# Allegro board 6089-119-RevA_41.brd (continued)
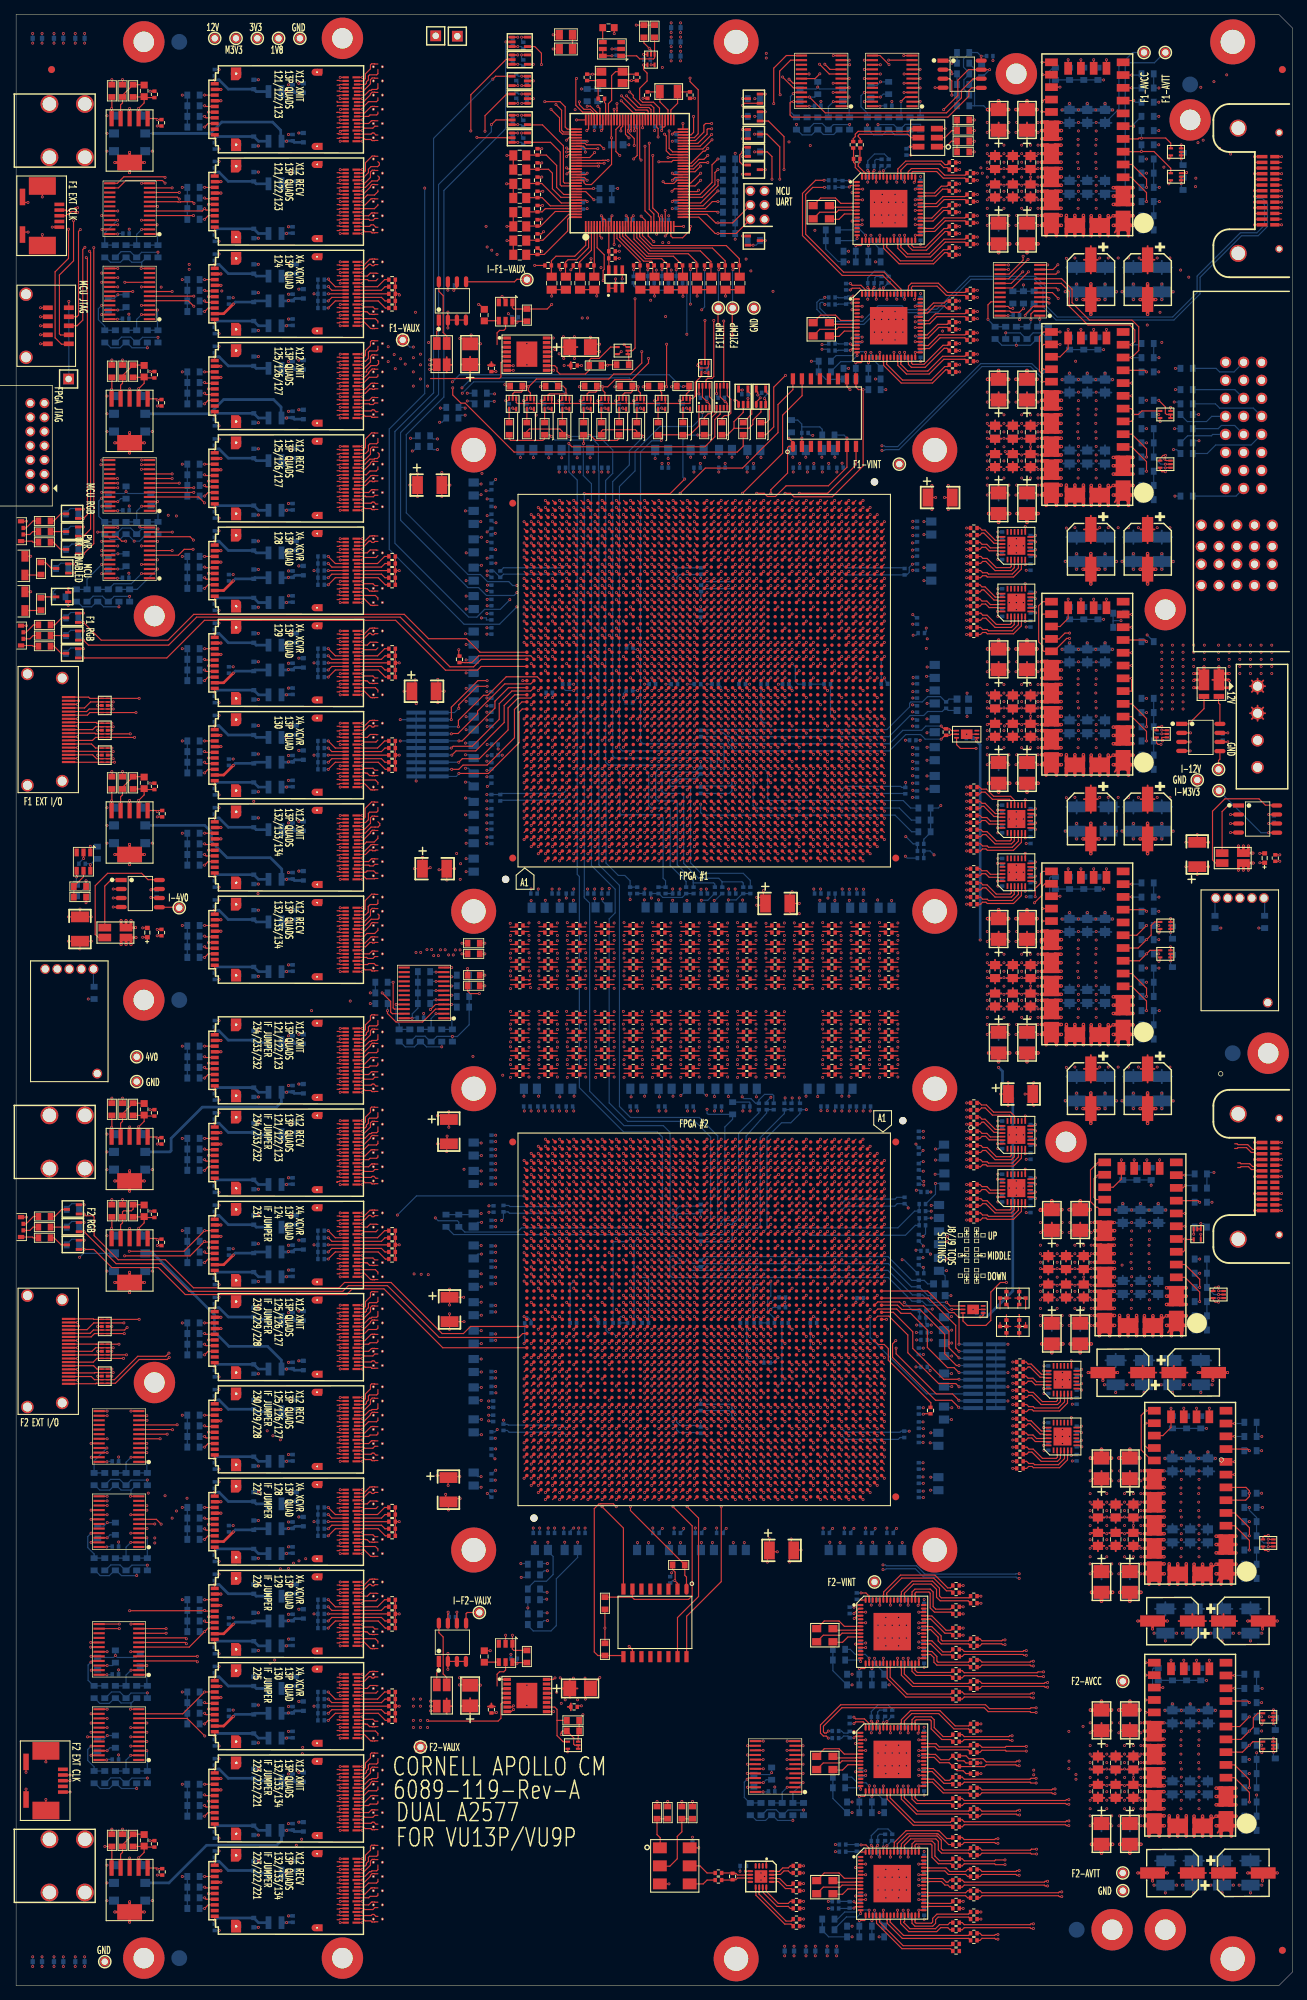
[diagram p0: board, top side]
## Routing (per net, layer and track width the routed paths; a pad name or vN(x,y) marks a point on that pad's centre or on a via; arc(x,y) is an arc through that point) (continued)
; VA8.3 50.04,255.72 ; VA8.3 49.95,255.21 ; VA8.3 50.37,255.78 ; VA8.3 49.98,255.4 ; VA8.3 50.18,254.99 ; VA26.4 51.96,212.72 ; VA26.4 51.82,212.81 ; VA26.4 52.05,212.21 ; VA26.4 51.63,212.02 ; VA26.4 51.63,212.78 ; VA26.4 52.05,212.59 ; VA26.4 51.96,212.08 ; VA26.4 52.02,212.4 ; VA18.4 52.05,229.21 ; VA18.4 51.96,229.72 ; VA18.4 51.96,229.08 ; VA18.4 51.82,229.81 ; VA18.4 52.02,229.4 ; VA18.4 51.63,229.78 ; VA18.4 51.63,229.02 ; VA18.4 52.05,229.59 ; VA7.4 52.05,257.59 ; VA7.4 51.63,257.78 ; VA7.4 51.96,257.08 ; VA7.4 51.63,257.02 ; VA7.4 51.96,257.72 ; VA7.4 51.82,257.81 ; VA7.4 52.02,257.4 ; VA7.4 52.05,257.21 ; VA102.4 52.05,13.59 ; VA102.4 51.96,13.72 ; VA102.4 51.63,13.78 ; VA102.4 52.02,13.4 ; VA102.4 51.63,13.02 ; VA102.4 51.96,13.08 ; VA102.4 52.05,13.21 ; VA102.4 51.82,13.81 ; VA79.4 52.05,76.21 ; VA79.4 51.63,76.02 ; VA79.4 52.05,76.59 ; VA79.4 51.96,76.72 ; VA79.4 52.02,76.4 ; VA79.4 51.63,76.78 ; VA79.4 51.82,76.81 ; VA79.4 51.96,76.08 ; VA20.4 52.05,225.59 ; VA20.4 52.05,225.21 ; VA20.4 52.02,225.4 ; VA20.4 51.96,225.72 ; VA20.4 51.96,225.08 ; VA20.4 51.63,225.02 ; VA20.4 51.63,225.78 ; VA20.4 51.82,225.81 ; VA43.4 51.96,162.08 ; VA43.4 51.63,162.78 ; VA43.4 52.05,162.59 ; VA43.4 51.63,162.02 ; VA43.4 51.82,162.81 ; VA43.4 51.96,162.72 ; VA43.4 52.02,162.4 ; VA43.4 52.05,162.21 ; 49.98,158.4 VA45.3 ; VA45.3 50.04,158.72 ; VA45.3 49.95,158.59 ; VA45.3 49.95,158.21 ; VA45.3 50.04,158.08 ; VA45.3 50.37,158.78 ; VA45.3 50.18,157.99 ; VA45.3 50.37,158.02 ; 51.63,227.02 VA19.4 ; VA19.4 51.96,227.08 ; VA19.4 52.05,227.21 ; VA19.4 51.63,227.78 ; VA19.4 51.96,227.72 ; VA19.4 52.02,227.4 ; VA19.4 52.05,227.59 ; VA19.4 51.82,227.81 ; VA15.3 51.96,235.58 ; VA15.3 52.02,235.9 ; VA15.3 52.05,236.09 ; VA15.3 51.63,236.28 ; VA15.3 51.82,236.31 ; VA15.3 51.63,235.52 ; VA15.3 51.96,236.22 ; VA15.3 52.05,235.71 ; VA92.3 52.05,34.71 ; VA92.3 51.82,35.31 ; VA92.3 51.63,34.52 ; VA92.3 51.63,35.28 ; VA92.3 52.02,34.9 ; VA92.3 52.05,35.09 ; VA92.3 51.96,34.58 ; VA92.3 51.96,35.22 ; VA96.3 50.37,26.78 ; VA96.3 50.04,26.08 ; VA96.3 49.95,26.59 ; VA96.3 49.95,26.21 ; VA96.3 50.37,26.02 ; VA96.3 50.18,25.99 ; VA96.3 50.04,26.72 ; VA96.3 49.98,26.4 ; 50.18,259.99 VA6.3 ; VA6.3 50.04,260.72 ; VA6.3 50.37,260.02 ; VA6.3 50.04,260.08 ; VA6.3 50.37,260.78 ; VA6.3 49.95,260.59 ; VA6.3 49.98,260.4 ; VA6.3 49.95,260.21 ; 51.63,93.02 VA71.4 ; VA71.4 51.63,93.78 ; VA71.4 51.96,93.08 ; VA71.4 52.02,93.4 ; VA71.4 52.05,93.59 ; VA71.4 51.96,93.72 ; VA71.4 52.05,93.21 ; VA71.4 51.82,93.81 ; VA65.4 51.82,109.31 ; VA65.4 51.63,108.52 ; VA65.4 51.96,109.22 ; VA65.4 52.02,108.9 ; VA65.4 52.05,109.09 ; VA65.4 51.63,109.28 ; VA65.4 52.05,108.71 ; VA65.4 51.96,108.58 ; 50.04,214.08 VA25.3 ; VA25.3 50.04,214.72 ; VA25.3 49.98,214.4 ; VA25.3 50.18,213.99 ; VA25.3 49.95,214.59 ; VA25.3 50.37,214.02 ; VA25.3 50.37,214.78 ; VA25.3 49.95,214.21 ; VA100.3 50.37,17.78 ; VA100.3 49.95,17.59 ; VA100.3 49.95,17.21 ; VA100.3 50.18,16.99 ; VA100.3 50.37,17.02 ; VA100.3 50.04,17.08 ; VA100.3 49.98,17.4 ; VA100.3 50.04,17.72 ; 50.04,164.72 VA42.3 ; VA42.3 50.37,164.02 ; VA42.3 49.95,164.21 ; VA42.3 50.37,164.78 ; VA42.3 50.18,163.99 ; VA42.3 50.04,164.08 ; VA42.3 49.98,164.4 ; VA42.3 49.95,164.59 ; VA14.4 51.82,241.31 ; VA14.4 51.96,240.58 ; VA14.4 51.63,241.28 ; VA14.4 52.05,241.09 ; VA14.4 52.02,240.9 ; VA14.4 52.05,240.71 ; VA14.4 51.63,240.52 ; VA14.4 51.96,241.22 ; 50.37,84.02 VA75.3 ; VA75.3 50.04,84.08 ; VA75.3 49.95,84.59 ; VA75.3 50.18,83.99 ; VA75.3 49.98,84.4 ; VA75.3 49.95,84.21 ; VA75.3 50.04,84.72 ; VA75.3 50.37,84.78 ; VA61.4 52.02,119.4 ; VA61.4 51.63,119.02 ; VA61.4 51.96,119.72 ; VA61.4 52.05,119.21 ; VA61.4 52.05,119.59 ; VA61.4 51.63,119.78 ; VA61.4 51.82,119.81 ; VA61.4 51.96,119.08 ; VA17.4 51.82,231.81 ; VA17.4 52.05,231.59 ; VA17.4 52.02,231.4 ; VA17.4 52.05,231.21 ; VA17.4 51.63,231.02 ; VA17.4 51.96,231.72 ; VA17.4 51.96,231.08 ; VA17.4 51.63,231.78 ; 49.98,62.9 VA83.4 ; VA83.4 50.04,63.22 ; VA83.4 50.37,63.28 ; VA83.4 49.95,63.09 ; VA83.4 50.37,62.52 ; VA83.4 50.18,62.49 ; VA83.4 50.04,62.58 ; VA83.4 49.95,62.71 ; VA73.4 52.05,89.59 ; VA73.4 51.96,89.08 ; VA73.4 51.96,89.72 ; VA73.4 51.82,89.81 ; VA73.4 52.05,89.21 ; VA73.4 51.63,89.78 ; VA73.4 51.63,89.02 ; VA73.4 52.02,89.4 ; 50.37,115.02 VA63.3 ; VA63.3 50.18,114.99 ; VA63.3 50.04,115.72 ; VA63.3 49.95,115.21 ; VA63.3 49.95,115.59 ; VA63.3 50.37,115.78 ; VA63.3 50.04,115.08 ; VA63.3 49.98,115.4 ; VA13.4 52.02,242.9 ; VA13.4 51.63,242.52 ; VA13.4 51.63,243.28 ; VA13.4 51.96,243.22 ; VA13.4 51.96,242.58 ; VA13.4 52.05,242.71 ; VA13.4 52.05,243.09 ; VA13.4 51.82,243.31 ; VA47.4 51.96,153.72 ; VA47.4 52.05,153.59 ; VA47.4 52.02,153.4 ; VA47.4 51.63,153.78 ; VA47.4 51.82,153.81 ; VA47.4 52.05,153.21 ; VA47.4 51.63,153.02 ; VA47.4 51.96,153.08 ; 50.04,160.08 VA44.3 ; VA44.3 50.18,159.99 ; VA44.3 49.95,160.21 ; VA44.3 50.37,160.78 ; VA44.3 50.04,160.72 ; VA44.3 49.95,160.59 ; VA44.3 49.98,160.4 ; VA44.3 50.37,160.02 ; 50.37,233.52 VA16.4 ; VA16.4 49.98,233.9 ; VA16.4 49.95,234.09 ; VA16.4 50.37,234.28 ; VA16.4 50.04,233.58 ; VA16.4 49.95,233.71 ; VA16.4 50.04,234.22 ; VA16.4 50.18,233.49 ; VA5.4 51.63,262.78 ; VA5.4 52.05,262.21 ; VA5.4 52.05,262.59 ; VA5.4 51.82,262.81 ; VA5.4 51.96,262.72 ; VA5.4 51.63,262.02 ; VA5.4 52.02,262.4 ; VA5.4 51.96,262.08 ; 50.18,77.99 VA78.3 ; VA78.3 49.98,78.4 ; VA78.3 49.95,78.59 ; VA78.3 50.04,78.72 ; VA78.3 50.04,78.08 ; VA78.3 50.37,78.02 ; VA78.3 50.37,78.78 ; VA78.3 49.95,78.21 ; 49.95,251.21 VA10.3 ; VA10.3 50.04,251.72 ; VA10.3 50.37,251.02 ; VA10.3 49.98,251.4 ; VA10.3 50.18,250.99 ; VA10.3 50.04,251.08 ; VA10.3 50.37,251.78 ; VA10.3 49.95,251.59 ; 50.18,265.99 VA3.3 ; VA3.3 50.37,266.02 ; VA3.3 50.37,266.78 ; VA3.3 50.04,266.08 ; VA3.3 49.98,266.4 ; VA3.3 50.04,266.72 ; VA3.3 49.95,266.21 ; VA3.3 49.95,266.59 ; VA2.3 50.37,268.78 ; VA2.3 50.37,268.02 ; VA2.3 49.95,268.59 ; VA2.3 50.04,268.08 ; VA2.3 50.04,268.72 ; VA2.3 50.18,267.99 ; VA2.3 49.98,268.4 ; VA2.3 49.95,268.21 ; VA72.4 52.05,91.21 ; VA72.4 52.05,91.59 ; VA72.4 52.02,91.4 ; VA72.4 51.96,91.08 ; VA72.4 51.63,91.78 ; VA72.4 51.63,91.02 ; VA72.4 51.82,91.81 ; VA72.4 51.96,91.72 ; 165.83,169.23 PM24.1 ; PM24.1 166.5,169.02 ; PM24.1 165.62,169.9 ; PM24.1 166.5,170.78 ; PM24.1 167.17,169.23 ; PM24.1 167.38,169.9 ; PM24.1 167.17,170.57 ; PM24.1 165.83,170.57 ; VA68.3 51.96,99.58 ; VA68.3 51.63,99.52 ; VA68.3 51.82,100.31 ; VA68.3 52.05,99.71 ; VA68.3 51.96,100.22 ; VA68.3 52.05,100.09 ; VA68.3 51.63,100.28 ; VA68.3 52.02,99.9 ; VA14.3 50.37,241.28 ; VA14.3 50.18,240.49 ; VA14.3 50.04,240.58 ; VA14.3 49.98,240.9 ; VA14.3 50.04,241.22 ; VA14.3 49.95,240.71 ; VA14.3 50.37,240.52 ; VA14.3 49.95,241.09 ; VA27.4 51.63,210.78 ; VA27.4 51.63,210.02 ; VA27.4 52.05,210.21 ; VA27.4 51.82,210.81 ; VA27.4 51.96,210.08 ; VA27.4 51.96,210.72 ; VA27.4 52.05,210.59 ; VA27.4 52.02,210.4 ; VA98.4 51.96,22.08 ; VA98.4 51.63,22.78 ; VA98.4 51.63,22.02 ; VA98.4 52.05,22.59 ; VA98.4 52.05,22.21 ; VA98.4 51.96,22.72 ; VA98.4 52.02,22.4 ; VA98.4 51.82,22.81 ; VA99.4 52.05,19.59 ; VA99.4 52.02,19.4 ; VA99.4 51.96,19.08 ; VA99.4 51.96,19.72 ; VA99.4 51.63,19.78 ; VA99.4 52.05,19.21 ; VA99.4 51.63,19.02 ; VA99.4 51.82,19.81 ; 50.04,56.58 VA85.3 ; VA85.3 49.95,57.09 ; VA85.3 49.98,56.9 ; VA85.3 49.95,56.71 ; VA85.3 50.18,56.49 ; VA85.3 50.04,57.22 ; VA85.3 50.37,56.52 ; VA85.3 50.37,57.28 ; VA39.3 52.05,170.71 ; VA39.3 51.63,170.52 ; VA39.3 51.63,171.28 ; VA39.3 51.96,170.58 ; VA39.3 51.96,171.22 ; VA39.3 51.82,171.31 ; VA39.3 52.02,170.9 ; VA39.3 52.05,171.09 ; VA93.4 52.02,32.4 ; VA93.4 51.63,32.02 ; VA93.4 51.82,32.81 ; VA93.4 51.96,32.08 ; VA93.4 52.05,32.59 ; VA93.4 52.05,32.21 ; VA93.4 51.96,32.72 ; VA93.4 51.63,32.78 ; 50.37,147.02 VA50.3 ; VA50.3 49.98,147.4 ; VA50.3 49.95,147.59 ; VA50.3 50.37,147.78 ; VA50.3 50.04,147.72 ; VA50.3 50.04,147.08 ; VA50.3 49.95,147.21 ; VA50.3 50.18,146.99 ; PM3.1 17.67,126.73 ; PM3.1 17.67,128.07 ; PM3.1 17,128.28 ; PM3.1 16.33,128.07 ; PM3.1 16.33,126.73 ; PM3.1 17,126.52 ; PM3.1 16.12,127.4 ; PM3.1 17.88,127.4 ; VA82.4 52.05,67.71 ; VA82.4 51.82,68.31 ; VA82.4 51.63,67.52 ; VA82.4 52.02,67.9 ; VA82.4 52.05,68.09 ; VA82.4 51.96,67.58 ; VA82.4 51.63,68.28 ; VA82.4 51.96,68.22 ; 49.95,181.71 VA36.4 ; VA36.4 50.18,181.49 ; VA36.4 49.98,181.9 ; VA36.4 50.37,181.52 ; VA36.4 50.04,181.58 ; VA36.4 50.37,182.28 ; VA36.4 49.95,182.09 ; VA36.4 50.04,182.22 ; VA36.3 51.82,182.31 ; VA36.3 51.96,181.58 ; VA36.3 52.02,181.9 ; VA36.3 52.05,181.71 ; VA36.3 52.05,182.09 ; VA36.3 51.63,182.28 ; VA36.3 51.63,181.52 ; VA36.3 51.96,182.22 ; J6.22 7.31,95.86 ; J6.22 6.5,97.73 ; J6.22 5.69,95.86 ; J6.22 7.31,97.47 ; J6.22 7.57,96.66 ; J6.22 5.43,96.66 ; J6.22 5.69,97.47 ; J6.22 6.5,95.6 ; VA35.3 52.05,183.71 ; VA35.3 51.82,184.31 ; VA35.3 52.02,183.9 ; VA35.3 51.63,184.28 ; VA35.3 52.05,184.09 ; VA35.3 51.96,184.22 ; VA35.3 51.96,183.58 ; VA35.3 51.63,183.52 ; 49.98,132.4 VA55.3 ; VA55.3 50.04,132.08 ; VA55.3 50.37,132.78 ; VA55.3 49.95,132.21 ; VA55.3 50.04,132.72 ; VA55.3 49.95,132.59 ; VA55.3 50.37,132.02 ; VA55.3 50.18,131.99 ; 49.98,106.9 VA66.3 ; VA66.3 49.95,106.71 ; VA66.3 50.04,106.58 ; VA66.3 49.95,107.09 ; VA66.3 50.37,106.52 ; VA66.3 50.37,107.28 ; VA66.3 50.04,107.22 ; VA66.3 50.18,106.49 ; 50.04,189.22 VA34.3 ; VA34.3 49.98,188.9 ; VA34.3 50.37,189.28 ; VA34.3 50.37,188.52 ; VA34.3 49.95,189.09 ; VA34.3 50.04,188.58 ; VA34.3 49.95,188.71 ; VA34.3 50.18,188.49 ; 49.95,257.59 VA7.3 ; VA7.3 49.95,257.21 ; VA7.3 50.04,257.72 ; VA7.3 50.37,257.78 ; VA7.3 50.04,257.08 ; VA7.3 49.98,257.4 ; VA7.3 50.37,257.02 ; VA7.3 50.18,256.99 ; 50.37,223.02 VA21.3 ; VA21.3 50.37,223.78 ; VA21.3 50.04,223.72 ; VA21.3 50.04,223.08 ; VA21.3 50.18,222.99 ; VA21.3 49.95,223.59 ; VA21.3 49.98,223.4 ; VA21.3 49.95,223.21 ; 50.04,68.22 VA82.3 ; VA82.3 50.04,67.58 ; VA82.3 49.95,68.09 ; VA82.3 50.37,67.52 ; VA82.3 49.95,67.71 ; VA82.3 50.37,68.28 ; VA82.3 50.18,67.49 ; VA82.3 49.98,67.9 ; J5.23 2.4,184.04 ; J5.23 2.66,184.85 ; J5.23 1.6,183.78 ; J5.23 1.15,183.8 ; J5.23 2.4,185.65 ; J5.23 1.6,185.92 ; J5.23 2.05,185.89 ; J5.23 2.64,185.3 ; VA55.4 52.05,132.21 ; VA55.4 52.05,132.59 ; VA55.4 51.63,132.02 ; VA55.4 52.02,132.4 ; VA55.4 51.63,132.78 ; VA55.4 51.82,132.81 ; VA55.4 51.96,132.72 ; VA55.4 51.96,132.08 ; VA46.4 51.96,156.72 ; VA46.4 52.02,156.4 ; VA46.4 51.63,156.78 ; VA46.4 52.05,156.21 ; VA46.4 51.96,156.08 ; VA46.4 51.82,156.81 ; VA46.4 52.05,156.59 ; VA46.4 51.63,156.02 ; 50.18,133.99 VA54.3 ; VA54.3 49.95,134.59 ; VA54.3 50.04,134.08 ; VA54.3 50.37,134.78 ; VA54.3 49.98,134.4 ; VA54.3 50.37,134.02 ; VA54.3 50.04,134.72 ; VA54.3 49.95,134.21 ; VA101.4 51.63,15.78 ; VA101.4 51.82,15.81 ; VA101.4 51.96,15.72 ; VA101.4 51.63,15.02 ; VA101.4 52.05,15.59 ; VA101.4 52.05,15.21 ; VA101.4 51.96,15.08 ; VA101.4 52.02,15.4 ; 50.18,175.49 VA38.3 ; VA38.3 50.04,176.22 ; VA38.3 49.95,176.09 ; VA38.3 50.37,176.28 ; VA38.3 50.04,175.58 ; VA38.3 49.98,175.9 ; VA38.3 49.95,175.71 ; VA38.3 50.37,175.52 ; 50.18,203.49 VA29.3 ; VA29.3 50.04,203.58 ; VA29.3 50.37,204.28 ; VA29.3 49.98,203.9 ; VA29.3 50.37,203.52 ; VA29.3 50.04,204.22 ; VA29.3 49.95,203.71 ; VA29.3 49.95,204.09 ; 50.37,227.02 VA19.3 ; VA19.3 49.95,227.21 ; VA19.3 49.95,227.59 ; VA19.3 50.04,227.08 ; VA19.3 50.37,227.78 ; VA19.3 50.18,226.99 ; VA19.3 50.04,227.72 ; VA19.3 49.98,227.4 ; VA104.4 52.02,9.4 ; VA104.4 51.63,9.78 ; VA104.4 51.82,9.81 ; VA104.4 51.96,9.72 ; VA104.4 51.63,9.02 ; VA104.4 52.05,9.21 ; VA104.4 51.96,9.08 ; VA104.4 52.05,9.59 ; VA38.4 51.96,175.58 ; VA38.4 52.02,175.9 ; VA38.4 51.63,176.28 ; VA38.4 51.96,176.22 ; VA38.4 52.05,175.71 ; VA38.4 52.05,176.09 ; VA38.4 51.63,175.52 ; VA38.4 51.82,176.31 ; 49.98,242.9 VA13.3 ; VA13.3 49.95,243.09 ; VA13.3 50.18,242.49 ; VA13.3 50.37,243.28 ; VA13.3 50.04,242.58 ; VA13.3 50.37,242.52 ; VA13.3 49.95,242.71 ; VA13.3 50.04,243.22 ; VA91.4 50.37,37.28 ; VA91.4 50.37,36.52 ; VA91.4 49.95,36.71 ; VA91.4 49.95,37.09 ; VA91.4 50.04,36.58 ; VA91.4 49.98,36.9 ; VA91.4 50.18,36.49 ; VA91.4 50.04,37.22 ; 50.18,86.99 VA74.3 ; VA74.3 50.37,87.78 ; VA74.3 50.37,87.02 ; VA74.3 49.95,87.21 ; VA74.3 50.04,87.08 ; VA74.3 50.04,87.72 ; VA74.3 49.95,87.59 ; VA74.3 49.98,87.4 ; 49.95,247.21 VA12.3 ; VA12.3 50.04,247.08 ; VA12.3 49.98,247.4 ; VA12.3 50.04,247.72 ; VA12.3 50.37,247.78 ; VA12.3 50.37,247.02 ; VA12.3 50.18,246.99 ; VA12.3 49.95,247.59 ; 50.37,177.52 VA37.3 ; VA37.3 50.37,178.28 ; VA37.3 50.18,177.49 ; VA37.3 49.95,177.71 ; VA37.3 50.04,178.22 ; VA37.3 50.04,177.58 ; VA37.3 49.98,177.9 ; VA37.3 49.95,178.09 ; 50.04,69.58 VA81.3 ; VA81.3 49.95,69.71 ; VA81.3 50.04,70.22 ; VA81.3 50.37,69.52 ; VA81.3 50.37,70.28 ; VA81.3 50.18,69.49 ; VA81.3 49.95,70.09 ; VA81.3 49.98,69.9 ; VA67.3 52.02,101.9 ; VA67.3 51.63,102.28 ; VA67.3 52.05,101.71 ; VA67.3 51.96,102.22 ; VA67.3 51.82,102.31 ; VA67.3 52.05,102.09 ; VA67.3 51.63,101.52 ; VA67.3 51.96,101.58 ; 50.37,82.02 VA76.3 ; VA76.3 50.18,81.99 ; VA76.3 49.95,82.21 ; VA76.3 50.04,82.08 ; VA76.3 49.98,82.4 ; VA76.3 49.95,82.59 ; VA76.3 50.04,82.72 ; VA76.3 50.37,82.78 ; VA80.4 51.96,74.08 ; VA80.4 52.05,74.21 ; VA80.4 52.05,74.59 ; VA80.4 51.96,74.72 ; VA80.4 51.82,74.81 ; VA80.4 51.63,74.02 ; VA80.4 52.02,74.4 ; VA80.4 51.63,74.78 ; 51.63,134.02 VA54.4 ; VA54.4 51.63,134.78 ; VA54.4 52.02,134.4 ; VA54.4 51.96,134.72 ; VA54.4 51.82,134.81 ; VA54.4 52.05,134.21 ; VA54.4 51.96,134.08 ; VA54.4 52.05,134.59 ; 50.04,55.22 VA86.3 ; VA86.3 49.95,55.09 ; VA86.3 50.04,54.58 ; VA86.3 50.37,54.52 ; VA86.3 49.95,54.71 ; VA86.3 49.98,54.9 ; VA86.3 50.18,54.49 ; VA86.3 50.37,55.28 ; VA34.4 51.63,189.28 ; VA34.4 52.02,188.9 ; VA34.4 51.96,189.22 ; VA34.4 52.05,188.71 ; VA34.4 51.82,189.31 ; VA34.4 51.96,188.58 ; VA34.4 52.05,189.09 ; VA34.4 51.63,188.52 ; VA78.4 51.96,78.72 ; VA78.4 52.02,78.4 ; VA78.4 51.96,78.08 ; VA78.4 51.63,78.78 ; VA78.4 51.82,78.81 ; VA78.4 52.05,78.59 ; VA78.4 51.63,78.02 ; VA78.4 52.05,78.21 ; 51.63,121.02 VA60.4 ; VA60.4 51.82,121.81 ; VA60.4 52.02,121.4 ; VA60.4 51.96,121.72 ; VA60.4 52.05,121.59 ; VA60.4 51.63,121.78 ; VA60.4 52.05,121.21 ; VA60.4 51.96,121.08 ; VA45.4 51.82,158.81 ; VA45.4 51.63,158.78 ; VA45.4 51.96,158.72 ; VA45.4 52.05,158.21 ; VA45.4 52.02,158.4 ; VA45.4 51.63,158.02 ; VA45.4 51.96,158.08 ; VA45.4 52.05,158.59 ; 50.37,22.02 VA98.3 ; VA98.3 50.37,22.78 ; VA98.3 49.95,22.21 ; VA98.3 49.95,22.59 ; VA98.3 50.04,22.08 ; VA98.3 49.98,22.4 ; VA98.3 50.18,21.99 ; VA98.3 50.04,22.72 ; VA1.4 52.05,270.59 ; VA1.4 51.63,270.78 ; VA1.4 51.96,270.08 ; VA1.4 52.05,270.21 ; VA1.4 51.63,270.02 ; VA1.4 51.96,270.72 ; VA1.4 51.82,270.81 ; VA1.4 52.02,270.4 ; 49.95,119.21 VA61.3 ; VA61.3 50.18,118.99 ; VA61.3 50.04,119.08 ; VA61.3 50.37,119.02 ; VA61.3 50.04,119.72 ; VA61.3 49.95,119.59 ; VA61.3 49.98,119.4 ; VA61.3 50.37,119.78 ; 49.98,47.9 VA88.4 ; VA88.4 50.37,47.52 ; VA88.4 50.37,48.28 ; VA88.4 49.95,48.09 ; VA88.4 50.04,48.22 ; VA88.4 50.04,47.58 ; VA88.4 50.18,47.49 ; VA88.4 49.95,47.71 ; VA21.4 52.05,223.21 ; VA21.4 52.02,223.4 ; VA21.4 51.63,223.78 ; VA21.4 51.63,223.02 ; VA21.4 52.05,223.59 ; VA21.4 51.82,223.81 ; VA21.4 51.96,223.08 ; VA21.4 51.96,223.72 ; VA37.4 51.96,178.22 ; VA37.4 51.63,177.52 ; VA37.4 51.96,177.58 ; VA37.4 51.63,178.28 ; VA37.4 52.05,178.09 ; VA37.4 52.05,177.71 ; VA37.4 52.02,177.9 ; VA37.4 51.82,178.31 ; 49.98,212.4 VA26.3 ; VA26.3 49.95,212.21 ; VA26.3 50.37,212.02 ; VA26.3 50.04,212.72 ; VA26.3 50.04,212.08 ; VA26.3 50.37,212.78 ; VA26.3 50.18,211.99 ; VA26.3 49.95,212.59 ; 49.95,270.21 VA1.3 ; VA1.3 50.37,270.78 ; VA1.3 50.04,270.72 ; VA1.3 50.37,270.02 ; VA1.3 49.95,270.59 ; VA1.3 50.18,269.99 ; VA1.3 50.04,270.08 ; VA1.3 49.98,270.4 ; VA84.3 51.63,61.28 ; VA84.3 51.63,60.52 ; VA84.3 51.96,61.22 ; VA84.3 51.96,60.58 ; VA84.3 51.82,61.31 ; VA84.3 52.02,60.9 ; VA84.3 52.05,61.09 ; VA84.3 52.05,60.71 ; 51.63,247.02 VA12.4 ; VA12.4 52.05,247.59 ; VA12.4 51.82,247.81 ; VA12.4 51.96,247.72 ; VA12.4 52.02,247.4 ; VA12.4 51.96,247.08 ; VA12.4 51.63,247.78 ; VA12.4 52.05,247.21 ; VA103.3 50.37,11.78 ; VA103.3 49.95,11.21 ; VA103.3 50.37,11.02 ; VA103.3 50.18,10.99 ; VA103.3 49.95,11.59 ; VA103.3 49.98,11.4 ; VA103.3 50.04,11.72 ; VA103.3 50.04,11.08 ; 50.18,8.99 VA104.3 ; VA104.3 49.98,9.4 ; VA104.3 49.95,9.21 ; VA104.3 50.37,9.02 ; VA104.3 49.95,9.59 ; VA104.3 50.04,9.72 ; VA104.3 50.37,9.78 ; VA104.3 50.04,9.08 ; VA6.4 52.05,260.21 ; VA6.4 51.63,260.02 ; VA6.4 51.96,260.72 ; VA6.4 52.05,260.59 ; VA6.4 52.02,260.4 ; VA6.4 51.63,260.78 ; VA6.4 51.96,260.08 ; VA6.4 51.82,260.81 ; VA52.4 51.82,143.81 ; VA52.4 52.05,143.59 ; VA52.4 52.05,143.21 ; VA52.4 51.96,143.08 ; VA52.4 52.02,143.4 ; VA52.4 51.96,143.72 ; VA52.4 51.63,143.78 ; VA52.4 51.63,143.02 ; 49.95,15.59 VA101.3 ; VA101.3 50.37,15.02 ; VA101.3 49.98,15.4 ; VA101.3 50.37,15.78 ; VA101.3 50.18,14.99 ; VA101.3 50.04,15.08 ; VA101.3 49.95,15.21 ; VA101.3 50.04,15.72 ; 49.98,24.4 VA97.3 ; VA97.3 50.18,23.99 ; VA97.3 49.95,24.59 ; VA97.3 49.95,24.21 ; VA97.3 50.04,24.72 ; VA97.3 50.37,24.02 ; VA97.3 50.04,24.08 ; VA97.3 50.37,24.78 ; 50.04,108.58 VA65.3 ; VA65.3 50.37,109.28 ; VA65.3 50.37,108.52 ; VA65.3 49.95,109.09 ; VA65.3 49.98,108.9 ; VA65.3 50.04,109.22 ; VA65.3 50.18,108.49 ; VA65.3 49.95,108.71 ; 49.95,80.21 VA77.3 ; VA77.3 50.18,79.99 ; VA77.3 50.37,80.02 ; VA77.3 50.04,80.08 ; VA77.3 50.37,80.78 ; VA77.3 49.95,80.59 ; VA77.3 49.98,80.4 ; VA77.3 50.04,80.72 ; VA91.3 52.05,36.71 ; VA91.3 51.82,37.31 ; VA91.3 51.63,37.28 ; VA91.3 52.05,37.09 ; VA91.3 51.96,37.22 ; VA91.3 51.63,36.52 ; VA91.3 51.96,36.58 ; VA91.3 52.02,36.9 ; 50.18,196.49 VA31.4 ; VA31.4 50.04,196.58 ; VA31.4 49.95,196.71 ; VA31.4 49.95,197.09 ; VA31.4 49.98,196.9 ; VA31.4 50.37,197.28 ; VA31.4 50.37,196.52 ; VA31.4 50.04,197.22 ; 50.04,166.72 VA41.3 ; VA41.3 49.95,166.59 ; VA41.3 49.98,166.4 ; VA41.3 50.37,166.78 ; VA41.3 50.04,166.08 ; VA41.3 50.18,165.99 ; VA41.3 49.95,166.21 ; VA41.3 50.37,166.02 ; 50.04,156.72 VA46.3 ; VA46.3 50.37,156.02 ; VA46.3 49.95,156.59 ; VA46.3 50.37,156.78 ; VA46.3 50.04,156.08 ; VA46.3 49.95,156.21 ; VA46.3 49.98,156.4 ; VA46.3 50.18,155.99 ; 51.63,43.52 VA89.4 ; VA89.4 51.96,44.22 ; VA89.4 52.02,43.9 ; VA89.4 51.63,44.28 ; VA89.4 52.05,44.09 ; VA89.4 51.82,44.31 ; VA89.4 51.96,43.58 ; VA89.4 52.05,43.71 ; 49.98,32.4 VA93.3 ; VA93.3 49.95,32.59 ; VA93.3 50.04,32.08 ; VA93.3 50.37,32.78 ; VA93.3 50.18,31.99 ; VA93.3 50.37,32.02 ; VA93.3 49.95,32.21 ; VA93.3 50.04,32.72